# Altium PCB PDM.PcbDoc (part 1 of 4) (continued)
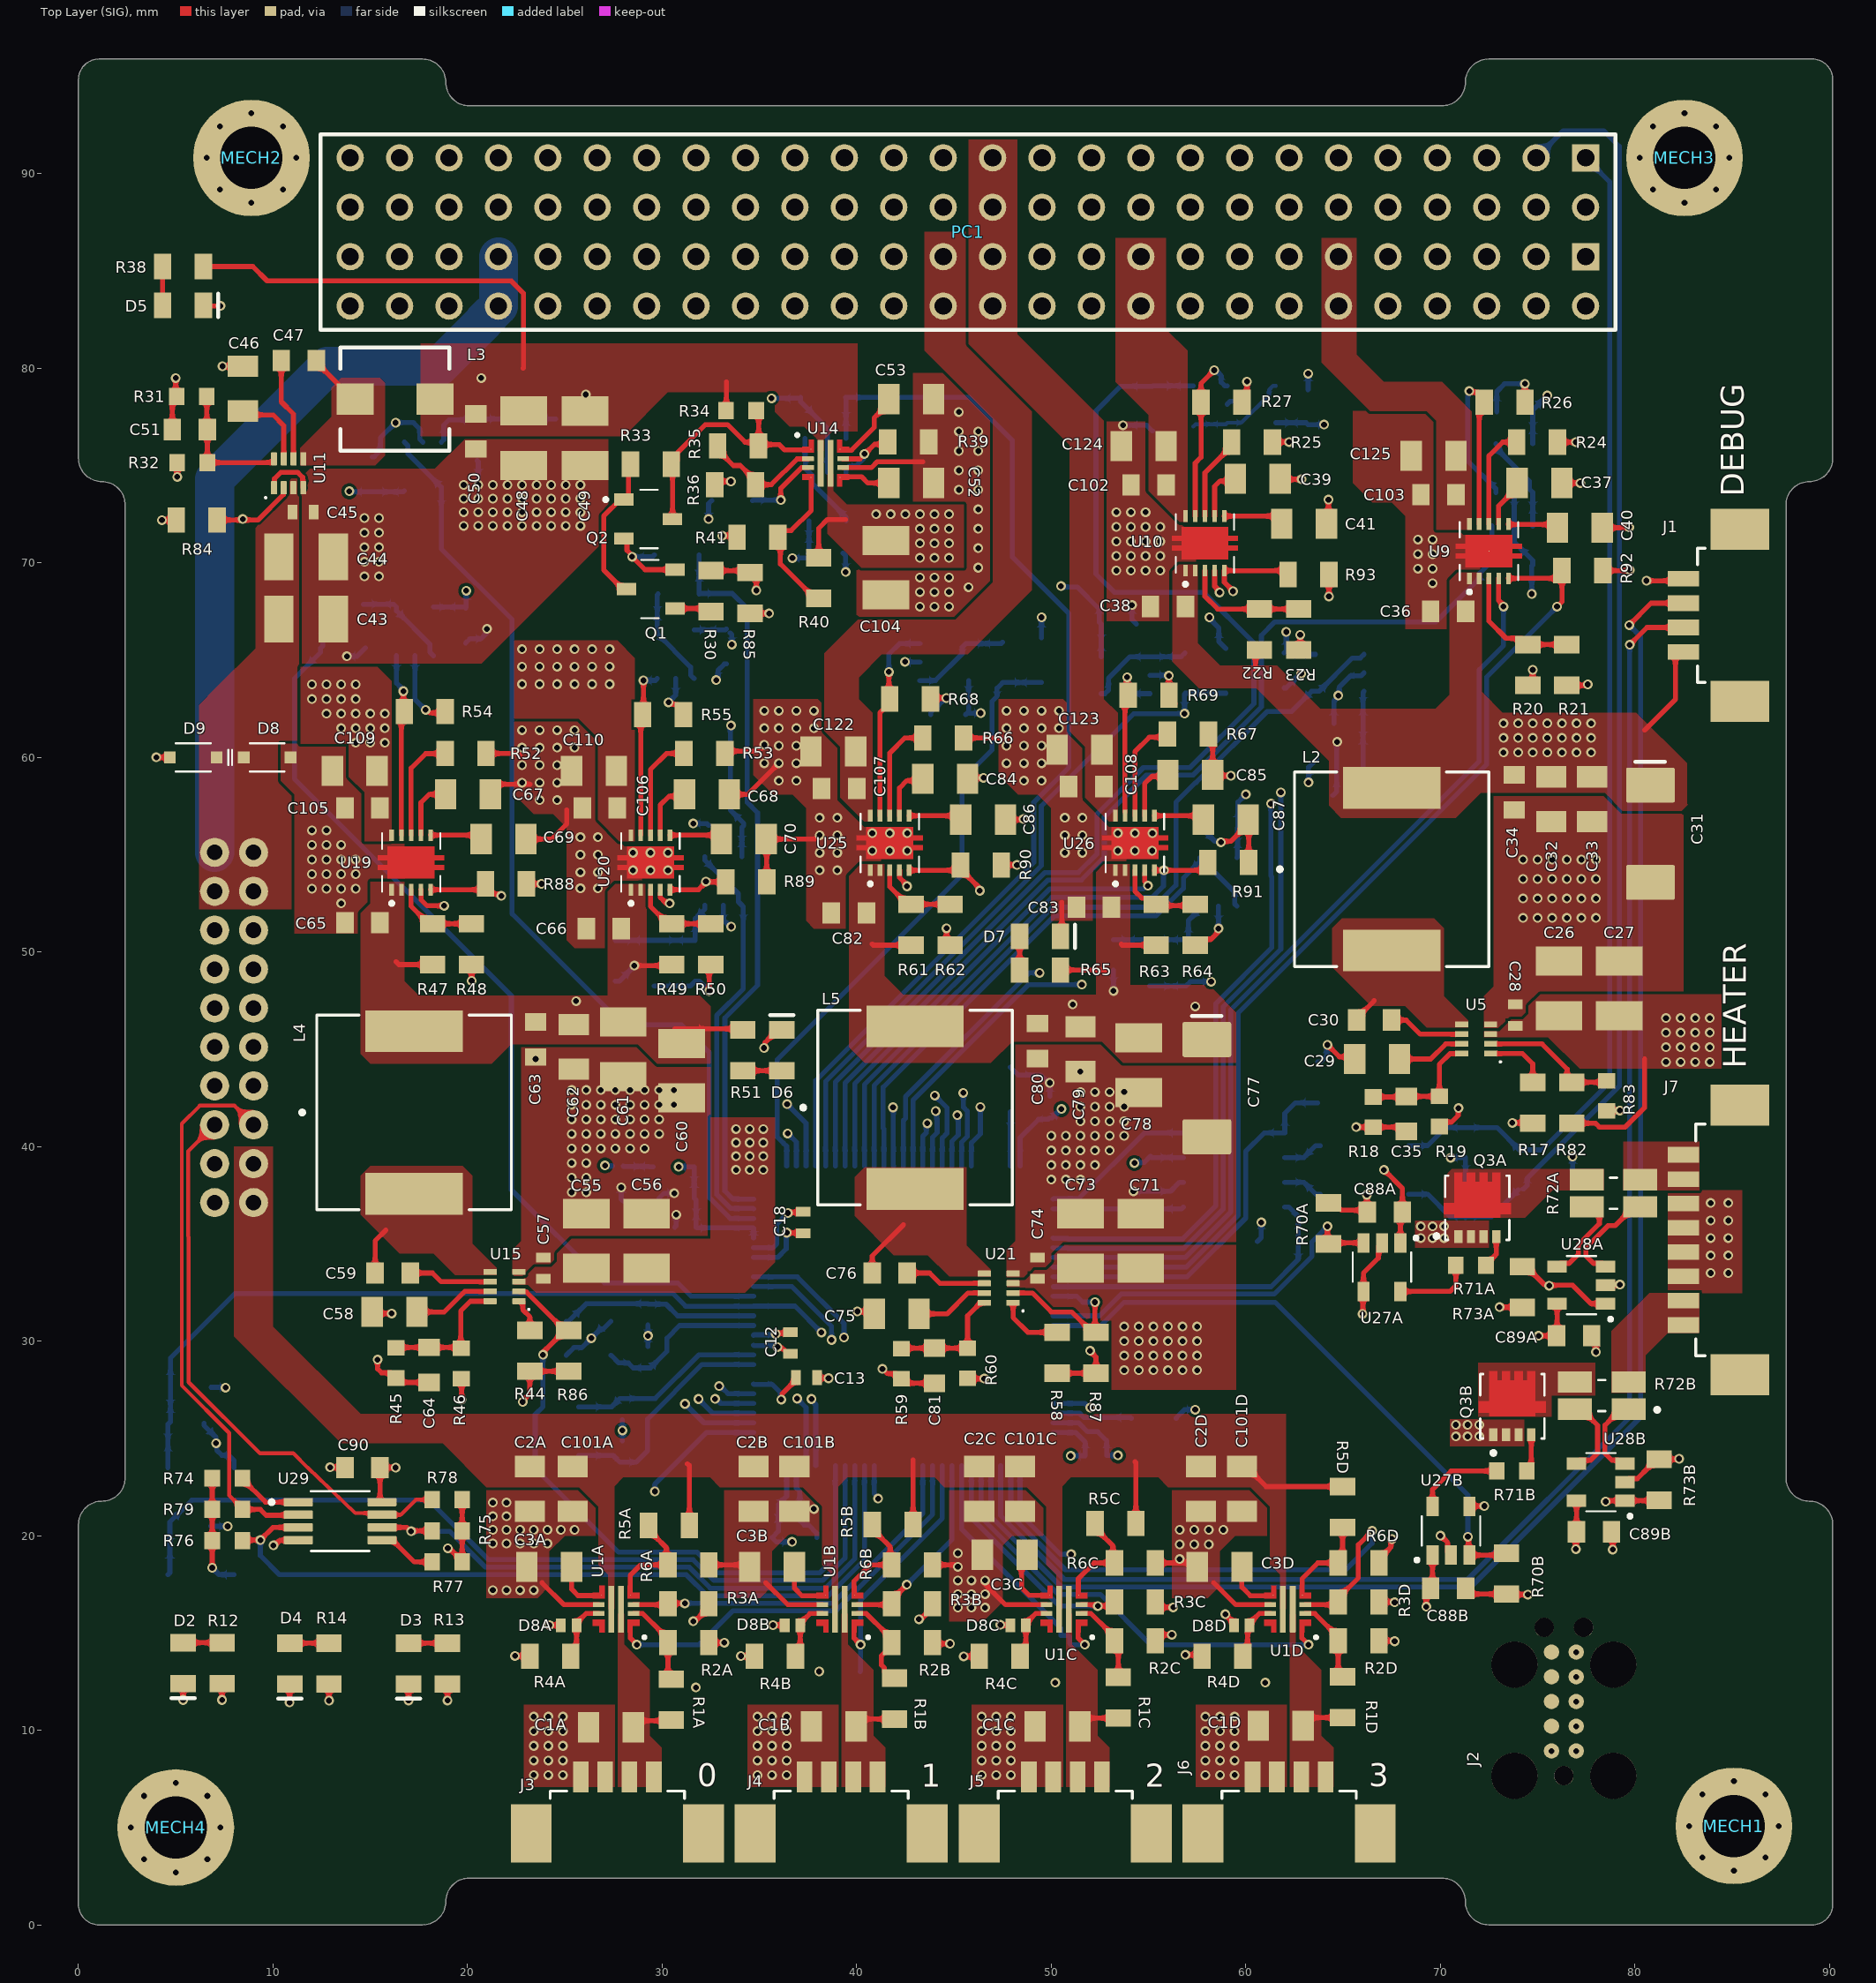
[diagram p0: Top Layer (SIG) view]
## Components (designator, comment, footprint, x,y, rotation, side; value= is the part's Value field where it differs from the comment) (continued)
C118 "C0603C104K5RACTU" CAPC0603X040 33.3,65.7 r90 bottom
C119 "C0603C104K5RACTU" CAPC0603X040 58.7,56.4 r0 bottom
C120 "C0603C104K5RACTU" CAPC0603X040 44.7,62.2 r0 bottom
C121 "C0603C104K5RACTU" CAPC0603X040 53.475,66.85 r180 bottom
C122 "CL21B105KAFNNNE" CAPC0805X060 38.8,60.3 r0 top
C123 "CL21B105KAFNNNE" CAPC0805X060 51.45,60.4 r0 top
C124 "CL21B105KAFNNNE" CAPC0805X060 54.75,76 r0 top
C125 "CL21B105KAFNNNE" CAPC0805X060 69.65,75.5 r0 top
D1 "AQ24CANFD-02HTG" "SOT23-3 IC" 75.5,38.825 r270 bottom
D2 "LTST-C170EKT" LEDR_0805 5.38,13.45 r90 top
D3 "LTST-C170GKT" LEDG_0805 16.966,13.425 r90 top
D4 "LTST-C170GKT" LEDG_0805 10.866,13.425 r90 top
D5 "LSM0805463V" LEDB_0805 5.375,83.228 r180 top
D6 "LSM0805463V" LEDB_0805 36.15,44.95 r270 top
D7 "LSM0805463V" LEDB_0805 49.425,50.8 r180 top
D8 "AQ27COM-01FTG" SOD-323 9.7,60 r180 top
D8A "PESD5V0C1BLS-QYL" PESD5V0C1BLS-Q 25.2,15.4 r0 top (schematic designator D8)
D8B "PESD5V0C1BLS-QYL" PESD5V0C1BLS-Q 36.7,15.4 r0 top (schematic designator D8)
D8C "PESD5V0C1BLS-QYL" PESD5V0C1BLS-Q 48.3,15.4 r0 top (schematic designator D8)
D8D "PESD5V0C1BLS-QYL" PESD5V0C1BLS-Q 59.8,15.4 r0 top (schematic designator D8)
D9 "AQ27COM-01FTG" SOD-323 5.9,60 r0 top
FB1 "74279220321" 74279220321 30.6,38.95 r180 bottom
J1 "0532610471" 0532610471 84.9,67.3 r90 top
J2 "TC2050-IDC" TC2050-IDC 76.35,11.475 r90 top
J3 "0532610471" 0532610471 27.7,5.2 r0 top
J4 "0532610471" 0532610471 39.2,5.2 r0 top
J5 "0532610471" 0532610471 50.725,5.2 r0 top
J6 "0532610471" 0532610471 62.225,5.2 r0 top
J7 "0532610871" 0532610871 84.9,35.2 r90 top
J8 "LS2-110-01-L-D" LS2-110-01-L-D 8,46.118 r270 bottom
L1 "ACT45B-101-2P-TL003" ACT45B-101-2P-TL003 66.1,38.8 r0 bottom
L2 "1274AS-H-100M=P3" 1274AS-H-100M=P3 67.5,54.25 r90 top
L3 "744316560" 744316560 16.271,78.416 r0 top
L4 "1274AS-H-100M=P3" 1274AS-H-100M=P3 17.25,41.75 r90 top
L5 "1274AS-H-100M=P3" 1274AS-H-100M=P3 43,42 r90 top
MECH1 "M3 Mounting Hole" "M3 Mounting Hole" 85.09,5.08 r0 top
MECH2 "M3 Mounting Hole" "M3 Mounting Hole" 8.89,90.81 r0 top
MECH3 "M3 Mounting Hole" "M3 Mounting Hole" 82.55,90.81 r0 top
MECH4 "M3 Mounting Hole" "M3 Mounting Hole" 5,5 r0 top
PC1 "SSQ-126-21-G-D" "PC104 STACK HEADER" 45.72,87 r180 top
Q1 "T2N7002AK,LM" "SOT23-3 MOSFET" 29.416,68.65 r270 top
Q2 "T2N7002AK,LM" "SOT23-3 MOSFET" 29.275,72.25 r90 top
Q3A "NTTFS5C454NLTAG" NTTFS5C454NLTAG 71.9,36.85 r90 top (schematic designator Q3)
Q3B "NTTFS5C454NLTAG" NTTFS5C454NLTAG 73.7,26.65 r90 top (schematic designator Q3)
R1A "RMCF0805FG100K" RESC0805 30.475,11.575 r270 top (schematic designator R1)
R1B "RMCF0805FG100K" RESC0805 41.95,11.625 r270 top (schematic designator R1)
R1C "RMCF0805FG100K" RESC0805 53.45,11.675 r270 top (schematic designator R1)
R1D "RMCF0805FG100K" RESC0805 64.975,11.7 r270 top (schematic designator R1)
R2A "RMCF0805FT14K0" RESC0805 31.35,14.5 r180 top (schematic designator R2)
R2B "RMCF0805FT14K0" RESC0805 42.85,14.5 r180 top (schematic designator R2)
R2C "RMCF0805FT14K0" RESC0805 54.3,14.6 r180 top (schematic designator R2)
R2D "RMCF0805FT14K0" RESC0805 65.8,14.6 r180 top (schematic designator R2)
R3A "RMCF0805FT47K0" RESC0805 31.35,16.5 r0 top (schematic designator R3)
R3B "RMCF0805FT47K0" RESC0805 42.85,16.5 r0 top (schematic designator R3)
R3C "RMCF0805FT47K0" RESC0805 54.3,16.6 r0 top (schematic designator R3)
R3D "RMCF0805FT47K0" RESC0805 65.8,16.6 r0 top (schematic designator R3)
R4A "RMCF0805FT10K0" RESC0805 24.25,13.8 r0 top (schematic designator R4)
R4B "RMCF0805FT10K0" RESC0805 35.8,13.8 r0 top (schematic designator R4)
R4C "RMCF0805FT10K0" RESC0805 47.35,13.8 r0 top (schematic designator R4)
R4D "RMCF0805FT10K0" RESC0805 58.8,13.8 r0 top (schematic designator R4)
R5A "RMCF0805FT47K0" RESC0805 30.35,20.525 r0 top (schematic designator R5)
R5B "RMCF0805FT47K0" RESC0805 41.85,20.575 r0 top (schematic designator R5)
R5C "RMCF0805FT47K0" RESC0805 53.3,20.625 r0 top (schematic designator R5)
R5D "RMCF0805FT47K0" RESC0805 64.975,21.475 r90 top (schematic designator R5)
R6A "RMCF0805FT71K5" RESC0805 31.35,18.5 r180 top (schematic designator R6)
R6B "RMCF0805FT71K5" RESC0805 42.85,18.5 r180 top (schematic designator R6)
R6C "RMCF0805FT71K5" RESC0805 54.3,18.6 r180 top (schematic designator R6)
R6D "RMCF0805FT71K5" RESC0805 65.8,18.6 r180 top (schematic designator R6)
R7 "RMCF0805FT499R" RESC0805 73.7,71.893 r180 bottom
R8 "RMCF0805FT10K0" RESC0805 5.75,20.5 r180 bottom
R9 "RMCF0805FT10K0" RESC0805 5.775,27.625 r0 bottom
R10 "RMCF0603FT1K20" RESC0603 71.3,37.125 r270 bottom
R11 "RMCF0603FT1K20" RESC0603 71.3,40.2 r270 bottom
R12 "RMCF0805FT120R" RESC0805 7.38,13.45 r270 top
R13 "RMCF0805FT120R" RESC0805 18.966,13.425 r270 top
R14 "RMCF0805FT120R" RESC0805 12.866,13.425 r270 top
R15 "RMCF0603FT93K1" RESC0603 65.25,58.043 r180 bottom
R16 "RMCF0603FT100K" RESC0603 65.299,61.743 r0 bottom
R17 "RMCF0805FT53K6" RESC0805 74.75,42.25 r90 top
R18 "RMCF0603FT31K6" RESC0603 66.55,41.775 r270 top
R19 "RMCF0603FT10K0" RESC0603 69.95,41.8 r90 top
R20 "RMCF0805FG100K" RESC0805 74.5,64.75 r270 top
R21 "RMCF0805FT63K4" RESC0805 76.5,64.75 r90 top
R22 "RMCF0805FG100K" RESC0805 60.7,66.575 r270 top
R23 "RMCF0805FT63K4" RESC0805 62.725,66.575 r90 top
R24 "RMCF0805FT14K0" RESC0805 74.975,76.2 r180 top
R25 "RMCF0805FT14K0" RESC0805 60.325,76.2 r180 top
R26 "RMCF0805FT18K0" RESC0805 73.3,78.25 r180 top
R27 "RMCF0805FT18K0" RESC0805 58.75,78.25 r180 top
R28 "RMCF0603FT174K" RESC0603 25.3,77.4 r0 bottom
R29 "RMCF0805FT332K" RESC0805 20.5,76.3 r90 bottom
R30 "RMCF0805FT100R" RESC0805 32.516,68.55 r90 top
R31 "RMCF0603FT59K0" RESC0603 5.825,78.55 r180 top
R32 "RMCF0603FT10K0" RESC0603 5.85,75.15 r0 top
R33 "RMCF0805FT10K0" RESC0805 29.423,75.069 r0 top
R34 "RMCF0603FT470K" RESC0603 34.065,77.818 r180 top
R35 "RMCF0805FT34K8" RESC0805 33.9,76.016 r0 top
R36 "RMCF0805FT115K" RESC0805 33.75,74.016 r0 top
R37 "RMCF0805FG100K" RESC0805 33.6,73.2 r180 bottom
R38 "RMCF0805FT120R" RESC0805 5.375,85.228 r0 top
R39 "RMCF0805FT1K21" RESC0805 42.65,76.216 r180 top
R40 "RMCF0805FG100K" RESC0805 38.05,69.216 r90 top
R41 "RMCF0805FT29K4" RESC0805 34.9,71.316 r0 top
R42 "RMCF0805FT332K" RESC0805 27.6,49.55 r270 bottom
R43 "RMCF0805FT47K0" RESC0805 31.7,49.55 r90 bottom
R44 "RMCF0805FT53K6" RESC0805 23.2,29.5 r90 top
R45 "RMCF0603FT140K" RESC0603 16.325,28.875 r270 top
R46 "RMCF0603FT10K0" RESC0603 19.675,28.85 r90 top
R47 "RMCF0805FG100K" RESC0805 18.2,50.4 r270 top
R48 "RMCF0805FT12K4" RESC0805 20.2,50.4 r90 top
R49 "RMCF0805FG100K" RESC0805 30.5,50.4 r270 top
R50 "RMCF0805FT12K4" RESC0805 32.5,50.4 r90 top
R51 "RMCF0805FT270R" RESC0805 34.15,44.95 r90 top
R52 "RMCF0805FT19K6" RESC0805 19.9,60.2 r180 top
R53 "RMCF0805FT6K19" RESC0805 32.175,60.2 r180 top
R54 "RMCF0805FT20K0" RESC0805 17.802,62.355 r180 top
R55 "RMCF0805FT9K10" RESC0805 30.05,62.2 r180 top
R56 "RMCF0603FT174K" RESC0603 53.2,49.85 r270 bottom
R57 "RMCF0805FT332K" RESC0805 57.15,49.525 r90 bottom
R58 "RMCF0805FT53K6" RESC0805 50.3,29.4 r90 top
R59 "RMCF0603FT52K3" RESC0603 42.3,28.837 r270 top
R60 "RMCF0603FT10K0" RESC0603 45.7,28.862 r90 top
R61 "RMCF0805FG100K" RESC0805 42.8,51.4 r270 top
R62 "RMCF0805FT34K8" RESC0805 44.8,51.4 r90 top
R63 "RMCF0805FG100K" RESC0805 55.4,51.4 r270 top
R64 "RMCF0805FT34K8" RESC0805 57.4,51.4 r90 top
R65 "RMCF0805FT120R" RESC0805 49.425,49.075 r0 top
R66 "RMCF0805FT9K76" RESC0805 44.45,61 r180 top
R67 "RMCF0805FT9K76" RESC0805 57.025,61.2 r180 top
R68 "RMCF0805FT13K0" RESC0805 42.75,63 r180 top
R69 "RMCF0805FT13K0" RESC0805 55,63.2 r180 top
R70A "RMCF0805FT10K0" RESC0805 64.25,36.05 r270 top (schematic designator R70)
R70B "RMCF0805FT10K0" RESC0805 73.4,18.05 r90 top (schematic designator R70)
R71A "RNCF0603AKT10R0" RESC0603 71.575,33.9 r0 top (schematic designator R71)
R71B "RNCF0603AKT10R0" RESC0603 73.675,23.325 r0 top (schematic designator R71)
R72A "LVK12R050CER" LVK12R050CER-2 78.9,37.6 r180 top (schematic designator R72)
R72B "LVK12R050CER" LVK12R050CER-2 78.3,27.2 r180 top (schematic designator R72)
R73A "RMCF0805FT10K0" RESC0805 74.225,32.775 r90 top (schematic designator R73)
R73B "RMCF0805FT10K0" RESC0805 81.25,22.875 r270 top (schematic designator R73)
R74 "RMCF0603FT10K0" RESC0603 7.65,22.95 r180 top
R75 "RMCF0603FT10K0" RESC0603 18.95,20.25 r0 top
R76 "RMCF0603FT10K0" RESC0603 7.65,19.75 r180 top
R77 "RMCF0603FT10K0" RESC0603 18.95,18.65 r0 top
R78 "RMCF0603FT10K0" RESC0603 18.95,21.85 r0 top
R79 "RMCF0603FT10K0" RESC0603 7.65,21.35 r180 top
R80 "RNCP0805FTD1K00" RESC0805 63.7,43.3 r270 bottom
R81 "RNCP0805FTD1K00" RESC0805 61.649,35.122 r0 bottom
R82 "RMCF0805FT71K5" RESC0805 76.75,42.25 r270 top
R83 "RMCF0603FT10K0" RESC0603 78.55,42.6 r90 top
R84 "RMCF0805FT10K0" RESC0805 6.075,72.2 r0 top
R85 "RMCF0805FT10K0" RESC0805 34.516,68.45 r90 top
R86 "RMCF0805FT10K0" RESC0805 25.2,29.5 r90 top
R87 "RMCF0805FT10K0" RESC0805 52.3,29.4 r90 top
R88 "RMCF0805FT10K0" RESC0805 21.975,53.5 r180 top
R89 "RMCF0805FT10K0" RESC0805 34.325,53.6 r180 top
R90 "RMCF0805FT10K0" RESC0805 46.383,54.466 r180 top
R91 "RMCF0805FT10K0" RESC0805 59.1,54.6 r180 top
R92 "RMCF0805FT10K0" RESC0805 77.3,69.6 r180 top
R93 "RMCF0805FT10K0" RESC0805 63.225,69.4 r180 top
R94 "RMCF0805FT499R" RESC0805 57.3,78.05 r90 bottom
R95 "RMCF0805FT499R" RESC0805 38.4,76.4 r0 bottom
R96 "RMCF0805FT499R" RESC0805 13.6,67.875 r180 bottom
R97 "RMCF0805FT499R" RESC0805 30.85,68.4 r0 bottom
R98 "RMCF0805FT499R" RESC0805 47.5,64.873 r270 bottom
R99 "RMCF0805FT499R" RESC0805 56.875,64.325 r270 bottom
R100A "RMCF0805FG100K" RESC0805 31.482,13.248 r90 bottom (schematic designator R100)
R100B "RMCF0805FG100K" RESC0805 39.125,13.021 r0 bottom (schematic designator R100)
R100C "RMCF0805FG100K" RESC0805 50.5,13.5 r90 bottom (schematic designator R100)
R100D "RMCF0805FG100K" RESC0805 61,13.5 r90 bottom (schematic designator R100)
S1 "B3U-1000P" B3U-1000P 6.3,18 r180 bottom
S2 "B3U-1000P" B3U-1000P 6.3,23.5 r0 bottom
U1A "LM73100RPWR" VFQFN-10 27.636,16.225 r180 top (schematic designator U1)
U1B "LM73100RPWR" VFQFN-10 39.136,16.225 r180 top (schematic designator U1)
U1C "LM73100RPWR" VFQFN-10 50.661,16.225 r180 top (schematic designator U1)
U1D "LM73100RPWR" VFQFN-10 62.161,16.225 r180 top (schematic designator U1)
U3 "STM32F427VGT7" STM32F427VGT7 42.4,31.3 r0 bottom locked
U4 "TCAN3414DR" SOIC-8 59.4,38.8 r90 bottom
U5 "TPS62933DRLR" SOT-583 71.84,45.525 r180 top
U6 "TSZ181ILT" "SOT23-5 IC" 64.825,64.343 r270 bottom
U7 "TSZ181ILT" "SOT23-5 IC" 73.8,74.868 r180 bottom
U8 "TSZ181ILT" "SOT23-5 IC" 60.3,78.15 r90 bottom
U9 "TPS16410DRCR" TPS1641 72.5,70.6 r90 top
U10 "TPS16410DRCR" TPS1641 57.9,71 r90 top
U11 "TPS62933DRLR" SOT-583 10.8,74.6 r90 top
U12 "TSZ181ILT" "SOT23-5 IC" 17.7,74.95 r0 bottom
U13 "TSZ181ILT" "SOT23-5 IC" 38.5,73.4 r0 bottom
U14 "TPS259474LRPWR" VFQFN-10 38.4,75.116 r0 top
U15 "TPS62933DRLR" SOT-583 21.9,32.8 r180 top
U16 "TSZ181ILT" "SOT23-5 IC" 33.15,53.65 r180 bottom
U17 "TSZ181ILT" "SOT23-5 IC" 17.3,66.475 r180 bottom
U18 "TSZ181ILT" "SOT23-5 IC" 30.7,65.3 r180 bottom
U19 "TPS16410DRCR" TPS1641 17.1,54.6 r90 top
U20 "TPS16410DRCR" TPS1641 29.4,54.6 r90 top
U21 "TPS62933DRLR" SOT-583 47.3,32.725 r180 top
U22 "TSZ181ILT" "SOT23-5 IC" 58.6,53.6 r180 bottom
U23 "TSZ181ILT" "SOT23-5 IC" 44.5,64.9 r90 bottom
U24 "TSZ181ILT" "SOT23-5 IC" 53.822,64.225 r270 bottom
U25 "TPS16410DRCR" TPS1641 41.7,55.6 r90 top
U26 "TPS16410DRCR" TPS1641 54.3,55.6 r90 top
U27A "UCC27517AQDBVRQ1" "SOT23-5 IC" 67,33.8 r180 top (schematic designator U27)
U27B "UCC27517AQDBVRQ1" "SOT23-5 IC" 70.55,20.25 r0 top (schematic designator U27)
U28A "INA139NA/250" "SOT23-5 IC" 77.25,32.875 r90 top (schematic designator U28)
U28B "INA139NA/250" "SOT23-5 IC" 78.25,22.75 r90 top (schematic designator U28)
U29 "TCA9511ADGKR" VSSOP-8 13.45,20.75 r0 top
Y1 "CM7VT1A32.768KHZ125PF20PPMTBQAT3" CM7VT1A32.768KHZ125PF20PPMTBQAT3 25.716,25.375 r270 bottom
Y2 "830069882" 830069882 26.223,30.15 r0 bottom

## Footprints (in the part's own frame and the unit in brackets; to place one, negate y for a bottom-side part, rotate by r counter-clockwise, add the part's x,y. Pads: shape width x height; smd on the part's side, far side on the other; paste and mask are expansions set on the pad)
1274AS-H-100M=P3 [mm] "Murata 3939 Inductor"
  rect 2.15x5 smd mask+0.05: 1(-4.175,0) 2(4.175,0)
  silkscreen extent -5,-5 5,5.85, body extent -5,-5 5,5, height 5
"2312 Tantalum" [mm] "2312 Tantalum"
  rrect10% 1.8x2.5 smd mask+0.075: 1(-2.5,0) 2(2.5,0)
  silkscreen extent -3.7,-0.77 -3.7,0.75, body extent -3.05,-1.68 3.05,1.68, height 2.72
0532610471 [mm] "Molex Picoblade 4pin"
  rect 0.8x1.6 smd mask+0.05: 1(-1.875,2.4) 2(-0.625,2.4) 3(0.625,2.4) 4(1.875,2.4)
  rect 2.1x3 smd mask+0.05: S1(-4.425,-0.5) S2(4.425,-0.5)
  silkscreen extent -3.45,1.3 3.45,1.68, body extent -5.07,-2.6 5.07,2.6, height 3.4
0532610871 [mm] "Molex Picoblade 8 pin"
  rect 0.8x1.6 smd mask+0.05: 1(-4.375,2.4) 2(-3.125,2.4) 3(-1.875,2.4) 4(-0.625,2.4) 5(0.625,2.4) 6(1.875,2.4) 7(3.125,2.4) 8(4.375,2.4)
  rect 2.1x3 smd mask+0.05: S1(-6.925,-0.5) S2(6.925,-0.5)
  silkscreen extent -5.95,1.3 5.95,1.78, body extent -7.57,-2.6 7.57,2.6, height 3.4
744316560 [mm] "5040 Wurth Inductor"
  rect 1.9x1.6 smd mask+0.05: 1(-2.05,0) 2(2.05,0)
  silkscreen extent -2.8,-2.65 2.8,2.65, body extent -2.8,-2.65 2.8,2.65, height 3.95
830069882 [mm] "Crystals WE-XTAL 12.0MHz 100ppm 3.2 x 2.5mm"
  rect 1.3x1.05 smd: 1(-1.15,-0.875) 2(1.15,-0.875) 3(1.15,0.875) 4(-1.15,0.875)
  silkscreen extent -2.56,-1.35 1.7,1.35, body extent -1.7,-1.35 1.7,1.35, height 0.65
74279220321 [mm] "Ferrite Bead 0805"
  rect 0.9x1 smd paste+0 mask+0.075: 1(1.05,0) 2(-1.05,0)
  body extent -1,-0.45 1,0.45, height 1.2
ACT45B-101-2P-TL003 [mm] "Common Mode Choke 4.50mm x 3.20mm"
  rect 1.35x0.9 smd mask+0.075: 1(-2.275,1.25) 2(-2.275,-1.25) 3(2.275,-1.25) 4(2.275,1.25)
  silkscreen extent -2.25,-1.6 2.25,1.6, body extent -2.25,-1.6 2.25,1.6, height 3
B3U-1000P [mm] "Push Button"
  rect 0.8x1.7 smd mask+0.075: 1(-1.7,0) 2(1.7,0)
  body extent -2,-1.25 2,1.25, height 1.6
CAPC0402X020 [mm] "Chip Capacitor, 2-Leads, Body 1.00x0.50mm, IPC Medium Density"
  rect 0.5x0.75 smd mask+0.075: 1(-0.55,0) 2(0.55,0)
  body extent -0.5,-0.25 0.5,0.25, height 0.2
CAPC0603X040 [mm] "Chip Capacitor, 2-Leads, Body 1.60x0.80mm, IPC Medium Density"
  rect 0.9x1.1 smd mask+0.075: 1(-0.9,0) 2(0.9,0)
  body extent -0.8,-0.4 0.8,0.4, height 0.4
CAPC0805X060 [mm] "Chip Capacitor, 2-Leads, Body 1.00x0.50mm, IPC Medium Density"
  rect 1.1x1.55 smd mask+0.075: 1(-1.15,0) 2(1.15,0)
  body extent -1,-0.63 1,0.63, height 0.6
CAPC1210X090 [mm] "1210 Ceramic Capacitor"
  rect 1.5x2.4 smd mask+0.075: 1(-1.4,0) 2(1.4,0)
  body extent -1.6,-1.25 1.6,1.25, height 0.9
CM7VT1A32.768KHZ125PF20PPMTBQAT3 [mm] "SMD-2 Crystal"
  rect 1x1.8 smd mask+0.075: 1(-1.25,0) 2(1.25,0)
  silkscreen extent -0.43,-0.75 0.43,0.75, body extent -1.6,-0.75 1.6,0.75, height 0.65
LEDB_0805 [mm] "Generic bLUE LED 0805"
  rect 0.9x1.3 smd: A(1.05,0) K(-1.05,0)
  silkscreen extent -1.8,-0.6 -1.8,0.6, body extent -1,-0.63 1,0.63, height 0.8
LEDG_0805 [mm] "Generic Green LED 0805"
  rect 0.9x1.3 smd: A(1.05,0) K(-1.05,0)
  silkscreen extent -1.8,-0.6 -1.8,0.6, body extent -1,-0.63 1,0.63, height 0.8
LEDR_0805 [mm] "Generic Red LED 0805"
  rect 0.9x1.3 smd: A(1.05,0) K(-1.05,0)
  silkscreen extent -1.8,-0.6 -1.8,0.6, body extent -1,-0.63 1,0.63, height 0.8
LS2-110-01-L-D [mm] "LS2-110-01-L-D"
  round 1.5 hole 0.8 mask+0.05: 1(-9,1) 2(-9,-1) 3(-7,1) 4(-7,-1) 5(-5,1) 6(-5,-1) 7(-3,1) 8(-3,-1) 9(-1,1) 10(-1,-1) 11(1,1) 12(1,-1) 13(3,1) 14(3,-1) 15(5,1) 16(5,-1) 17(7,1) 18(7,-1) 19(9,1) 20(9,-1)
  silkscreen extent -10.8,-2.65 10.8,3.2, body extent -10.78,-2.64 10.78,2.64, height 6.35
LVK12R050CER-2 [mm] "1206 Current Sense"
  rect 1.75x1.1 smd mask+0.075: 1(-1.375,-0.7) 2(-1.375,0.7) 3(1.375,0.7) 4(1.375,-0.7)
  silkscreen extent -0.18,-0.8 0.18,0.8, body extent -1.6,-0.8 1.6,0.8, height 0.55
"M3 Mounting Hole" [mm] "M3 Mounting Hole"
  round 6 hole 3.2 mask+0.075: 1(0,0)
NTTFS5C454NLTAG [mm] "8-WDFN (3.3x3.3)"
  round 0.025 smd paste-2539.97 mask+0.05: D(0.65,0)
  rect 0.66x0.42 smd mask+0.05: G(-1.47,-0.975) S(-1.47,-0.325) S(-1.47,0.325) S(-1.47,0.975)
  Top Layer (SIG) region: 0.25,1.185 1.8,1.185 1.8,0.765 1.33,0.765 1.33,0.535 1.8,0.535 1.8,0.115 1.33,0.115 1.33,-0.115 1.8,-0.115 1.8,-0.535 1.33,-0.535 1.33,-0.765 1.8,-0.765 1.8,-1.185 0.25,-1.185 0.25,-1.73 -0.32,-1.73 -0.32,-1.185 -0.5,-1.185 -0.5,1.185 -0.32,1.185 -0.32,1.73 0.25,1.73
  silkscreen extent -1.65,-1.65 1.65,2.2, body extent -1.65,-1.65 1.65,1.65, height 0.8
"PC104 STACK HEADER" [mm] "4x26 2.54mm Header"
  rect 1.398x1.398 hole 0.89 mask+0.05: A1(-31.75,-3.81) B1(-31.75,1.27)
  round 1.398 hole 0.89 mask+0.05: A2(-31.75,-1.27) A3(-29.21,-3.81) A4(-29.21,-1.27) A5(-26.67,-3.81) A6(-26.67,-1.27) A7(-24.13,-3.81) A8(-24.13,-1.27) A9(-21.59,-3.81) A10(-21.59,-1.27) A11(-19.05,-3.81) A12(-19.05,-1.27) A13(-16.51,-3.81) A14(-16.51,-1.27) A15(-13.97,-3.81) A16(-13.97,-1.27) A17(-11.43,-3.81) A18(-11.43,-1.27) A19(-8.89,-3.81) A20(-8.89,-1.27) A21(-6.35,-3.81) A22(-6.35,-1.27) A23(-3.81,-3.81) A24(-3.81,-1.27) A25(-1.27,-3.81) A26(-1.27,-1.27) A27(1.27,-3.81) A28(1.27,-1.27) A29(3.81,-3.81) A30(3.81,-1.27) A31(6.35,-3.81) A32(6.35,-1.27) A33(8.89,-3.81) A34(8.89,-1.27) A35(11.43,-3.81) A36(11.43,-1.27) A37(13.97,-3.81) A38(13.97,-1.27) A39(16.51,-3.81) A40(16.51,-1.27) A41(19.05,-3.81) A42(19.05,-1.27) A43(21.59,-3.81) A44(21.59,-1.27) A45(24.13,-3.81) A46(24.13,-1.27) A47(26.67,-3.81) A48(26.67,-1.27) A49(29.21,-3.81) A50(29.21,-1.27) A51(31.75,-3.81) A52(31.75,-1.27) B2(-31.75,3.81) B3(-29.21,1.27) B4(-29.21,3.81) B5(-26.67,1.27) B6(-26.67,3.81) B7(-24.13,1.27) B8(-24.13,3.81) B9(-21.59,1.27) B10(-21.59,3.81) B11(-19.05,1.27) B12(-19.05,3.81) B13(-16.51,1.27) B14(-16.51,3.81) B15(-13.97,1.27) B16(-13.97,3.81) B17(-11.43,1.27) B18(-11.43,3.81) B19(-8.89,1.27) B20(-8.89,3.81) B21(-6.35,1.27) B22(-6.35,3.81) B23(-3.81,1.27) B24(-3.81,3.81) B25(-1.27,1.27) B26(-1.27,3.81) B27(1.27,1.27) B28(1.27,3.81) B29(3.81,1.27) B30(3.81,3.81) B31(6.35,1.27) B32(6.35,3.81) B33(8.89,1.27) B34(8.89,3.81) B35(11.43,1.27) B36(11.43,3.81) B37(13.97,1.27) B38(13.97,3.81) B39(16.51,1.27) B40(16.51,3.81) B41(19.05,1.27) B42(19.05,3.81) B43(21.59,1.27) B44(21.59,3.81) B45(24.13,1.27) B46(24.13,3.81) B47(26.67,1.27) B48(26.67,3.81) B49(29.21,1.27) B50(29.21,3.81) B51(31.75,1.27) B52(31.75,3.81)
  silkscreen extent -33.28,-5.01 33.28,5.03, body extent -33.27,-5.02 33.27,5.02, height 8.51
PESD5V0C1BLS-Q [mm] "SOD882BD"
  rect 0.5x0.7 smd mask+0.05: 1(-0.4,0) 2(0.4,0)
  body extent -0.51,-0.3 0.51,0.3, height 0.38
RESC0603 [mm] "Chip Resistor, 2-Leads, Body 1.60x0.80mm, IPC Medium Density"
  rect 0.8x0.875 smd mask+0.1: 1(-0.774,0) 2(0.774,0)
  body extent -0.77,-0.43 0.77,0.43, height 0.45
RESC0805 [mm] "Chip Resistor, 2-Leads, Body 1.00x0.50mm, IPC Medium Density"
  rect 0.9x1.3 smd: 1(-1.05,0) 2(1.05,0)
  body extent -1,-0.63 1,0.63, height 0.45
SOD-323 [mm] "SOD-323 small outline"
  rect 0.6x0.6 smd mask+0.05: A(-1.2,0.001) K(1.2,0)
  silkscreen extent -0.9,-0.72 1.8,0.72, body extent -1.35,-0.72 1.35,0.72, height 1.17
SOIC-8 [mm] "SOIC-8 Analog Devices Spec"
  rect 0.75x1.15 smd mask+0.05: 1(-1.905,-2.605) 2(-0.635,-2.605) 3(0.635,-2.605) 4(1.905,-2.605) 5(1.905,2.605) 6(0.635,2.605) 7(-0.635,2.605) 8(-1.905,2.605)
  silkscreen extent -3.05,-3.05 2.5,1.5, body extent -2.45,-2.95 2.45,2.95, height 1.5
"SOT23-3 IC" [mm] "Diodes Incorporated SOT-23 land pattern with IC pin designators"
  rect 0.62x1 smd mask+0.05: 1(1,1.25) 2(-1,1.25) 3(0,-1.25)
  silkscreen extent -1.5,-0.67 1.5,2.22, body extent -1.5,-1.42 1.5,1.42, height 1.2
"SOT23-3 MOSFET" [mm] "Diodes Incorporated SOT-23 land pattern with MOSFET pin designators"
  rect 0.62x1 smd: D(0,-1.25) G(1,1.25) S(-1,1.25)
  silkscreen extent -1.5,-0.5 1.5,0.4, body extent -1.5,-1.42 1.5,1.42, height 1.2
"SOT23-5 IC" [mm] "SOT23-5"
  rect 0.62x1 smd mask+0.075: 1(-0.95,-1.25) 2(0,-1.25) 3(0.95,-1.25) 4(0.95,1.25) 5(-0.95,1.25)
  silkscreen extent -1.8,-1.55 1.5,0.75, body extent -1.5,-1.25 1.5,1.25, height 1.1
SOT-583 [mm] "Texas Instruments SOT-583"
  rrect10% 0.67x0.3 smd mask+0.05: 1(-0.74,0.75) 2(-0.74,0.25) 3(-0.74,-0.25) 4(-0.74,-0.75) 5(0.74,-0.75) 6(0.74,-0.25) 7(0.74,0.25) 8(0.74,0.75)
  silkscreen extent -1.29,1.14 -1.21,1.21, body extent -0.8,-1.05 0.8,1.05, height 0.6
STM32F427VGT7 [mm] "LQFP-100"
  rect 1.5x0.3 smd mask+0.05: 1(-7.7,6) 2(-7.7,5.5) 3(-7.7,5) 4(-7.7,4.5) 5(-7.7,4) 6(-7.7,3.5) 7(-7.7,3) 8(-7.7,2.5) 9(-7.7,2) 10(-7.7,1.5) 11(-7.7,1) 12(-7.7,0.5) 13(-7.7,0) 14(-7.7,-0.5) 15(-7.7,-1) 16(-7.7,-1.5) 17(-7.7,-2) 18(-7.7,-2.5) 19(-7.7,-3) 20(-7.7,-3.5) 21(-7.7,-4) 22(-7.7,-4.5) 23(-7.7,-5) 24(-7.7,-5.5) 25(-7.7,-6) 51(7.7,-6) 52(7.7,-5.5) 53(7.7,-5) 54(7.7,-4.5) 55(7.7,-4) 56(7.7,-3.5) 57(7.7,-3) 58(7.7,-2.5) 59(7.7,-2) 60(7.7,-1.5) 61(7.7,-1) 62(7.7,-0.5) 63(7.7,0) 64(7.7,0.5) 65(7.7,1) 66(7.7,1.5) 67(7.7,2) 68(7.7,2.5) 69(7.7,3) 70(7.7,3.5) 71(7.7,4) 72(7.7,4.5) 73(7.7,5) 74(7.7,5.5) 75(7.7,6)
  rect 0.3x1.5 smd mask+0.05: 26(-6,-7.7) 27(-5.5,-7.7) 28(-5,-7.7) 29(-4.5,-7.7) 30(-4,-7.7) 31(-3.5,-7.7) 32(-3,-7.7) 33(-2.5,-7.7) 34(-2,-7.7) 35(-1.5,-7.7) 36(-1,-7.7) 37(-0.5,-7.7) 38(0,-7.7) 39(0.5,-7.7) 40(1,-7.7) 41(1.5,-7.7) 42(2,-7.7) 43(2.5,-7.7) 44(3,-7.7) 45(3.5,-7.7) 46(4,-7.7) 47(4.5,-7.7) 48(5,-7.7) 49(5.5,-7.7) 50(6,-7.7) 76(6,7.7) 77(5.5,7.7) 78(5,7.7) 79(4.5,7.7) 80(4,7.7) 81(3.5,7.7) 82(3,7.7) 83(2.5,7.7) 84(2,7.7) 85(1.5,7.7) 86(1,7.7) 87(0.5,7.7) 88(0,7.7) 89(-0.5,7.7) 90(-1,7.7) 91(-1.5,7.7) 92(-2,7.7) 93(-2.5,7.7) 94(-3,7.7) 95(-3.5,7.7) 96(-4,7.7) 97(-4.5,7.7) 98(-5,7.7) 99(-5.5,7.7) 100(-6,7.7)
  silkscreen extent -7.3,-6.6 6.6,7.3, body extent -8,-8 8,8, height 1.6
TC2050-IDC [mil] "JTAG POGO ADAPTER"
  round 31 smd paste-39.37 mask+1.97: 1(-100,-25) 2(-50,-25) 3(0,-25) 4(50,-25) 5(100,-25) 6(100,25) 7(50,25) 8(0,25) 9(-50,25) 10(-100,25)
  round 93.5 hole 93.5 unplated mask+1.97: ""(-150,-100) ""(-150,100) ""(75,-100) ""(75,100)
  round 39 hole 39 unplated mask+1.97: ""(-150,0) ""(150,-39.96) ""(150,39.96)
TPS1641 [mm] "2.7-V TO 40-V 152-M 1.8-A EFUSE"
  rect 0.6x0.24 smd mask+0.075: 1(-1.4,1) 2(-1.4,0.5) 3(-1.4,0) 4(-1.4,-0.5) 5(-1.4,-1) 6(1.4,-1) 7(1.4,-0.5) 8(1.4,0) 9(1.4,0.5) 10(1.4,1)
  round 0.025 smd mask+0.075: 11(0,0)
  Top Layer (SIG) region: -0.125,1.2 -0.125,1.7 -0.375,1.7 -0.375,1.2 -0.825,1.2 -0.825,-1.2 -0.375,-1.2 -0.375,-1.7 -0.125,-1.7 -0.125,-1.2 0.125,-1.2 0.125,-1.7 0.375,-1.7 0.375,-1.2 0.825,-1.2 0.825,1.2 0.375,1.2 0.375,1.7 0.125,1.7 0.125,1.2 0.125,1.2
  silkscreen extent -2.15,-1.5 1.5,1.5, body extent -1.5,-1.5 1.5,1.5, height 1
VFQFN-10 [mm] "TI VFQFN-10"
  round 0.025 smd paste+0 mask+0.045: 1(-0.75,0.725) 4(-0.75,-0.725) 7(0.75,-0.725) 10(0.75,0.725)
  rrect10% 0.6x0.25 smd paste+0 mask+0.045: 2(-0.9,0.225) 3(-0.9,-0.225) 8(0.9,-0.225) 9(0.9,0.225)
  rrect10% 0.3x2.4 smd paste+0 mask+0.045: 5(-0.25,0) 6(0.25,0)
  Top Layer (SIG) region: -0.85,1.2 -0.85,0.85 -1.2,0.85 -1.2,0.55 -0.6,0.55 -0.6,1.2
  Top Layer (SIG) region: 0.85,1.2 0.85,0.85 1.2,0.85 1.2,0.55 0.6,0.55 0.6,1.2
  Top Layer (SIG) region: -0.85,-1.2 -0.85,-0.85 -1.2,-0.85 -1.2,-0.55 -0.6,-0.55 -0.6,-1.2
  Top Layer (SIG) region: 0.85,-1.2 0.85,-0.85 1.2,-0.85 1.2,-0.55 0.6,-0.55 0.6,-1.2
  silkscreen extent -1.48,1.43 -1.43,1.47, body extent -1,-1 1,1, height 1
VSSOP-8 [mm] "VSSOP-8 Texas Instruments"
  rrect25% 1.5x0.43 smd mask+0.05: 1(-2.15,0.975) 2(-2.15,0.325) 3(-2.15,-0.325) 4(-2.15,-0.975) 5(2.15,-0.975) 6(2.15,-0.325) 7(2.15,0.325) 8(2.15,0.975)
  silkscreen extent -3.62,-1.54 1.5,1.54, body extent -2.45,-1.5 2.45,1.5, height 1.1

## Part data
C1A C1B C1C C1D C109 C110 C122 C123 C124 C125: "1uF ±10% 25V Ceramic Capacitor X7R 0805 (2012 Metric)", Capacitance=1uF, Case Code=0805, Distributor Part Number=1276-1066-1-ND, Tolerance=10%, Voltage Rating=25V, Distributor=Digikey, Part Number=CL21B105KAFNNNE
C2A C2B C2C C2D C25 C42 C54 C72: "0.1uF ±10% 25V Ceramic Capacitor X7R 0805 (2012 Metric)", Capacitance=0.1uF, Case Code=0805, Distributor Part Number=1276-1099-1-ND, Tolerance=10%, Voltage Rating=25V, Distributor=Digikey, Part Number=CL21B104KACNNNC
C3A C3B C3C C3D C7 C8 C10 C29 C41 C46 C58 C69 C70 C75 C91 C92 C93 C94: "10nF ±10% 50V Ceramic Capacitor X7R 0805 (2012 Metric)", Capacitance=10nF, Case Code=0805, Distributor Part Number=1276-1015-1-ND, Tolerance=10%, Voltage Rating=25V, Distributor=Digikey, Part Number=CL21B103KBANNNC
C4 C6: library part CAPC0603, "1 µF ±10% 16V Ceramic Capacitor X7R 0603 (1608 Metric)", Capacitance=1uF, Case Code=0603, Distributor Part Number=1276-1019-1-ND, Tolerance=10%, Voltage Rating=16V, Distributor=Digikey, Manufacturer Part Number=CL10B105KO8NNNC
C5 C12 C13 C14 C15 C17 C18 C28 C45 C57 C74: "0.1 µF ±10% 50V Ceramic Capacitor X7R 0402 (1005 Metric)", Capacitance=0.1uF, Case Code=0402, Distributor Part Number=1276-CL05B104KB5NNNCCT-ND, Tolerance=10%, Voltage Rating=50V, Distributor=Digikey, Part Number=CL05B104KB5NNNC
C9 C11: "2.2uF ±10% 25V Ceramic Capacitor X7R 0805 (2012 Metric)", Capacitance=2.2uF, Case Code=0805, Distributor Part Number=1276-6702-1-ND, Tolerance=10%, Voltage Rating=25V, Distributor=Digikey, Part Number=CL21A225KBFNNNE
C16 C20 C30 C34 C36 C38 C47 C50 C59 C63 C65 C66 C76 C80 C82 C83 C88A C88B C89A C89B C90 C102 C103 C105 C106 C107 C108: "0.1 µF ±10% 50V Ceramic Capacitor X7R 0603 (1608 Metric)", Capacitance=100nF, Case Code=0603, Distributor Part Number=399-C0603C104K5RACTUCT-ND, Tolerance=10%, Voltage Rating=50V, Distributor=Digikey
  C16 C20 C34 C36 C38 C50 C63 C65 C66 C80 C82 C83 C88A C88B C89A C89B C90 C102 C103 C105 C106 C107 C108: Part Number=C0603C104K5RACTU
  C30 C47 C59 C76: Manufacturer Part Number=C0603C104K5RACTU
C19: "4.7 µF ±10% 16V Ceramic Capacitor X7R 0805 (2012 Metric)", Capacitance=4.7uF, Case Code=0805, Distributor Part Number=1276-2970-1-ND, Tolerance=10%, Voltage Rating=16V, Distributor=Digikey, Part Number=CL21B475KOFNFNE
C21 C23: library part CAPC0402, "18 pF ±1% 50V Ceramic Capacitor C0G, NP0 0402 (1005 Metric)", Capacitance=18pF, Case Code=0402, Distributor Part Number=478-KGM05ACG1H180FHCT-ND, Tolerance=1%, Voltage Rating=50V, Distributor=Digikey, Manufacturer Part Number=KGM05ACG1H180FH
C22 C24: library part CAPC0402, "14 pF ±1% 50V Ceramic Capacitor C0G, NP0 0402 (1005 Metric)", Capacitance=14pF, Case Code=0402, Distributor Part Number=2266-GJM1555C1H140FB01DTR-ND, Tolerance=1%, Voltage Rating=50V, Distributor=Digikey, Manufacturer Part Number=GJM1555C1H140FB01D
C26 C27 C43 C44 C55 C56 C71 C73: "10 µF ±10% 50V Ceramic Capacitor X7R 1210 (3225 Metric)", Capacitance=10uF, Case Code=1210, Distributor Part Number=1276-3387-1-ND, Tolerance=10%, Voltage Rating=50V, Distributor=Digikey, Manufacturer Part Number=CL32B106KBJNNNE
C31 C77: "100 µF Molded Tantalum Capacitors 10 V 2312 (6032 Metric) 100mOhm", Capacitance=100uF, Distributor Part Number=478-1765-1-ND, Operating Temperature="-55°C ~ 125°C", Voltage Rating=10V, Distributor=Digikey, ESR=100mOhm, Part Number=TPSC107K010R0100
C32 C33: "22 µF ±20% 10V Ceramic Capacitor X7R 0805 (2012 Metric)", Capacitance=22uF, Case Code=0805, Distributor Part Number=490-GRM21BZ71A226ME15LCT-ND, Tolerance=10%, Voltage Rating=10V, Distributor=Digikey, Part Number=GRM21BZ71A226ME15L
C35 C51 C64 C81: library part C0603C100J5GACTU, "10 pF ±5% 50V Ceramic Capacitor C0G, NP0 0603 (1608 Metric)", Capacitance=10pF, Case Code=0603, Distributor Part Number=399-C0603C100J5GACTUCT-ND, Tolerance=10%, Voltage Rating=50V, Distributor=Digikey, Part Number=C0603C100J5GACTU
C37 C39 C67 C68 C84 C85: "0.047 µF ±10% 50V Ceramic Capacitor X7R 0805 (2012 Metric)", Capacitance=47nF, Case Code=0805, Distributor Part Number=1276-1250-1-ND, Tolerance=10%, Voltage Rating=25V, Distributor=Digikey, Part Number=CL21B473KBCNNNC
C40: "10nF ±10% 50V Ceramic Capacitor X7R 0805 (2012 Metric)", Case Code=0805, Distributor Part Number=1276-1015-1-ND, Tolerance=10%, Voltage Rating=25V, Distributor=Digikey, Part Number=CL21B103KBANNNC
C48 C49 C60 C61 C78: "22 µF ±10% 25V Ceramic Capacitor X7R 1210 (3225 Metric)", Capacitance=22uF, Case Code=1210, Distributor Part Number=1276-3392-1-ND, Tolerance=10%, Voltage Rating=25V, Distributor=Digikey, Part Number=CL32B226KAJNNNE
C52 C86 C87: library part CL21B472KBANNNC, "4.7nF ±10% 50V Ceramic Capacitor X7R 0805 (2012 Metric)", Capacitance=4.7nF, Case Code=0805, Distributor Part Number=1276-1155-1-ND, Tolerance=10%, Voltage Rating=25V, Distributor=Digikey, Part Number=CL21B472KBANNNC
C53: "2.7nF ±5% 50V Ceramic Capacitor C0G, NP0 0805 (2012 Metric)", Capacitance=2.7nF, Case Code=0805, Distributor Part Number=490-1630-1-ND, Tolerance=5%, Voltage Rating=50V, Distributor=Digikey, Manufacturer Part Number=GRM2165C1H272JA01D
C62 C79: "1uF 50V X7R ±10% 0805 Multilayer Ceramic Capacitors MLCC - SMD/SMT ROHS", Capacitance=1uF, Case Code=0805, Distributor Part Number=1276-1029-1-ND, Tolerance=10%, Voltage Rating=50V, Distributor=Digikey, Part Number=CL21B105KBFNNNE
C101A C101B C101C C101D: "10uF ±10% 25V Ceramic Capacitor X7R 0805 (2012 Metric)", Capacitance=10uF, Case Code=0805, Distributor Part Number=490-GRM21BZ71E106KE15LCT-ND, Tolerance=10%, Voltage Rating=25V, Distributor=Digikey, Manufacturer Part Number=GRM21BZ71E106KE15L
C104: "22 µF ±20% 16V Ceramic Capacitor X7R 1210 (3225 Metric)", Capacitance=22uF, Case Code=1210, Distributor Part Number=1276-3395-1-ND, Tolerance=10%, Voltage Rating=50V, Distributor=Digikey, Part Number=CL32B226MOJNNNE
C111 C112 C113 C114 C115 C116 C117 C118 C119 C120 C121: "0.1 µF ±10% 50V Ceramic Capacitor X7R 0603 (1608 Metric)", Capacitance=0.1uF, Case Code=0603, Distributor Part Number=399-C0603C104K5RACTUCT-ND, Tolerance=10%, Voltage Rating=50V, Distributor=Digikey, Part Number=C0603C104K5RACTU
D1: "50V Clamp 3A (8/20µs) Ipp Tvs Diode Surface Mount SOT-23-3", Capacitance="11.5pF @ 1MHz", Current - Peak Pulse (10us/1000us)=3A, Distributor Part Number=F10993CT-ND, Operating Temperature="-40°C ~ 150°C", Power - Peak Pulse=200W, Voltage - Breakdown (Min)=26.7V, Voltage - Clamping (Max)=50V, Voltage - Reverse Standoff (Typ)=24V, Distributor=Digikey, Part Number=AQ24CANFD-02HTG, Qualification=AEC-Q101
D2: library part LEDR0805, "Red 621nm LED Indication - Discrete 2V 0805 (2012 Metric)", Colour=Red, Distributor Part Number=160-1178-1-ND, Distributor=Digikey, Manufacturer Part Number=LTST-C170EKT
D3 D4: library part LEDG0805, "Green 569nm LED Indication - Discrete 2.1V 0805 (2012 Metric)", Colour=Green, Distributor Part Number=160-1179-1-ND, Distributor=Digikey, Manufacturer Part Number=LTST-C170GKT
D5 D6 D7: library part LEDB0805, "Blue 469nm LED Indication - Discrete 3V 0805 (2012 Metric)", Colour=Blue, Distributor Part Number=28-LSM0805463VCT-ND, Voltage - Forward=3V, Distributor=Digikey, Manufacturer Part Number=LSM0805463V
D8 D9: "Transient Voltage Suppression Diodes - TVS 27V 4A 30kV 12pF SOD323 Diode Array", Breakdown Voltage=28V, Clamping Voltage=50V, Distributor Part Number=18-AQ27COM-01FTGCT-ND, Ipp - Peak Pulse Current=4A, Temperature Range=-40~150°C, Working Voltage=27V, Distributor=Digikey, Part Number=AQ27COM-01FTG, Vesd=32kV
D8A D8B D8C D8D: "5.4V (Typ) Clamp 6.5A (8/20µs) Ipp Tvs Diode Surface Mount DFN1006BD-2", Distributor Part Number=1727-PESD5V0C1BLS-QYLCT-ND, Operating Temperature="-55C ~ 150C", Voltage - Breakdown (Min)=7.5V, Voltage - Clamping (Max) @ Ipp="5.4V (Typ)", Voltage - Reverse Standoff (Typ)="5V (Max)", ComponentLink1Description=Datasheet, ComponentLink1URL=https://assets.nexperia.com/documents/data-sheet/PESD5V0C1BLS-Q.pdf, Distributor=Digikey, Part Number=PESD5V0C1BLS-QYL
FB1: "Ferrite Bead 320 Ohms @ 100 MHz 1 Ferrite Bead 0805 (2012 Metric) 2.5A 50mOhm", Current Rating=2.5A, Distributor Part Number=732-6125-1-ND, Operating Temperature="-55°C ~ 125°C", DCR=50mOhm, Distributor=Digikey, Impedance="320 Ohms @ 100 MHz", Part Number=74279220321
J1 J3 J4 J5 J6: "Connector Header Surface Mount, Right Angle 4 position 0.049\" (1.25mm) Molex Picoblade", Distributor Part Number=WM7622CT-ND, Max Current Per Contact=1A, Distributor=Digikey, Number of Positions=4, Number of Rows=2, Part Number=0532610471
J2: "JTAG Pogo Programmer Pads", Programmer Part Number=TC2050-IDC
J7: "Connector Header Surface Mount, Right Angle 8 position 0.049\" (1.25mm) Picoblade", Contact Current (Max)=1A, Distributor Part Number=WM7624CT-ND, Material Flammability Rating="UL94 V-0", Distributor=Digikey, Number of Positions=8, Part Number=0532610871
J8: "Connector Self Mating 20 Position , Non-Gendered, Hermaphroditic Through Hole Gold", Contact Rating=3.2A, Distributor Part Number=SAM9665-ND, Operating Temperature="-55C ~ 125C", Voltage Rating=475VAC, Distributor=Digikey, Number of Positions=20, Number of Rows=2, Part Number=LS2-110-01-L-D
L1: "Common Mode Choke 100 µH @ 100 kHz 2 Line Surface Mount 5.8 kOhms @ 10 MHz 150mA DCR 2Ohm", Current Rating (Max)=150mA, Distributor Part Number=445-3959-1-ND, Inductance="100uH @ 100kHz", Operating Temperature="-40°C ~ 150°C", Voltage Rating (DC)=50V, DCR=2Ohm, Distributor=Digikey, Impedance="5.8kohms @ 10MHz", Part Number=ACT45B-101-2P-TL003, Qualification=AEC-Q200